# KiCad board Marble.kicad_pcb (continued)
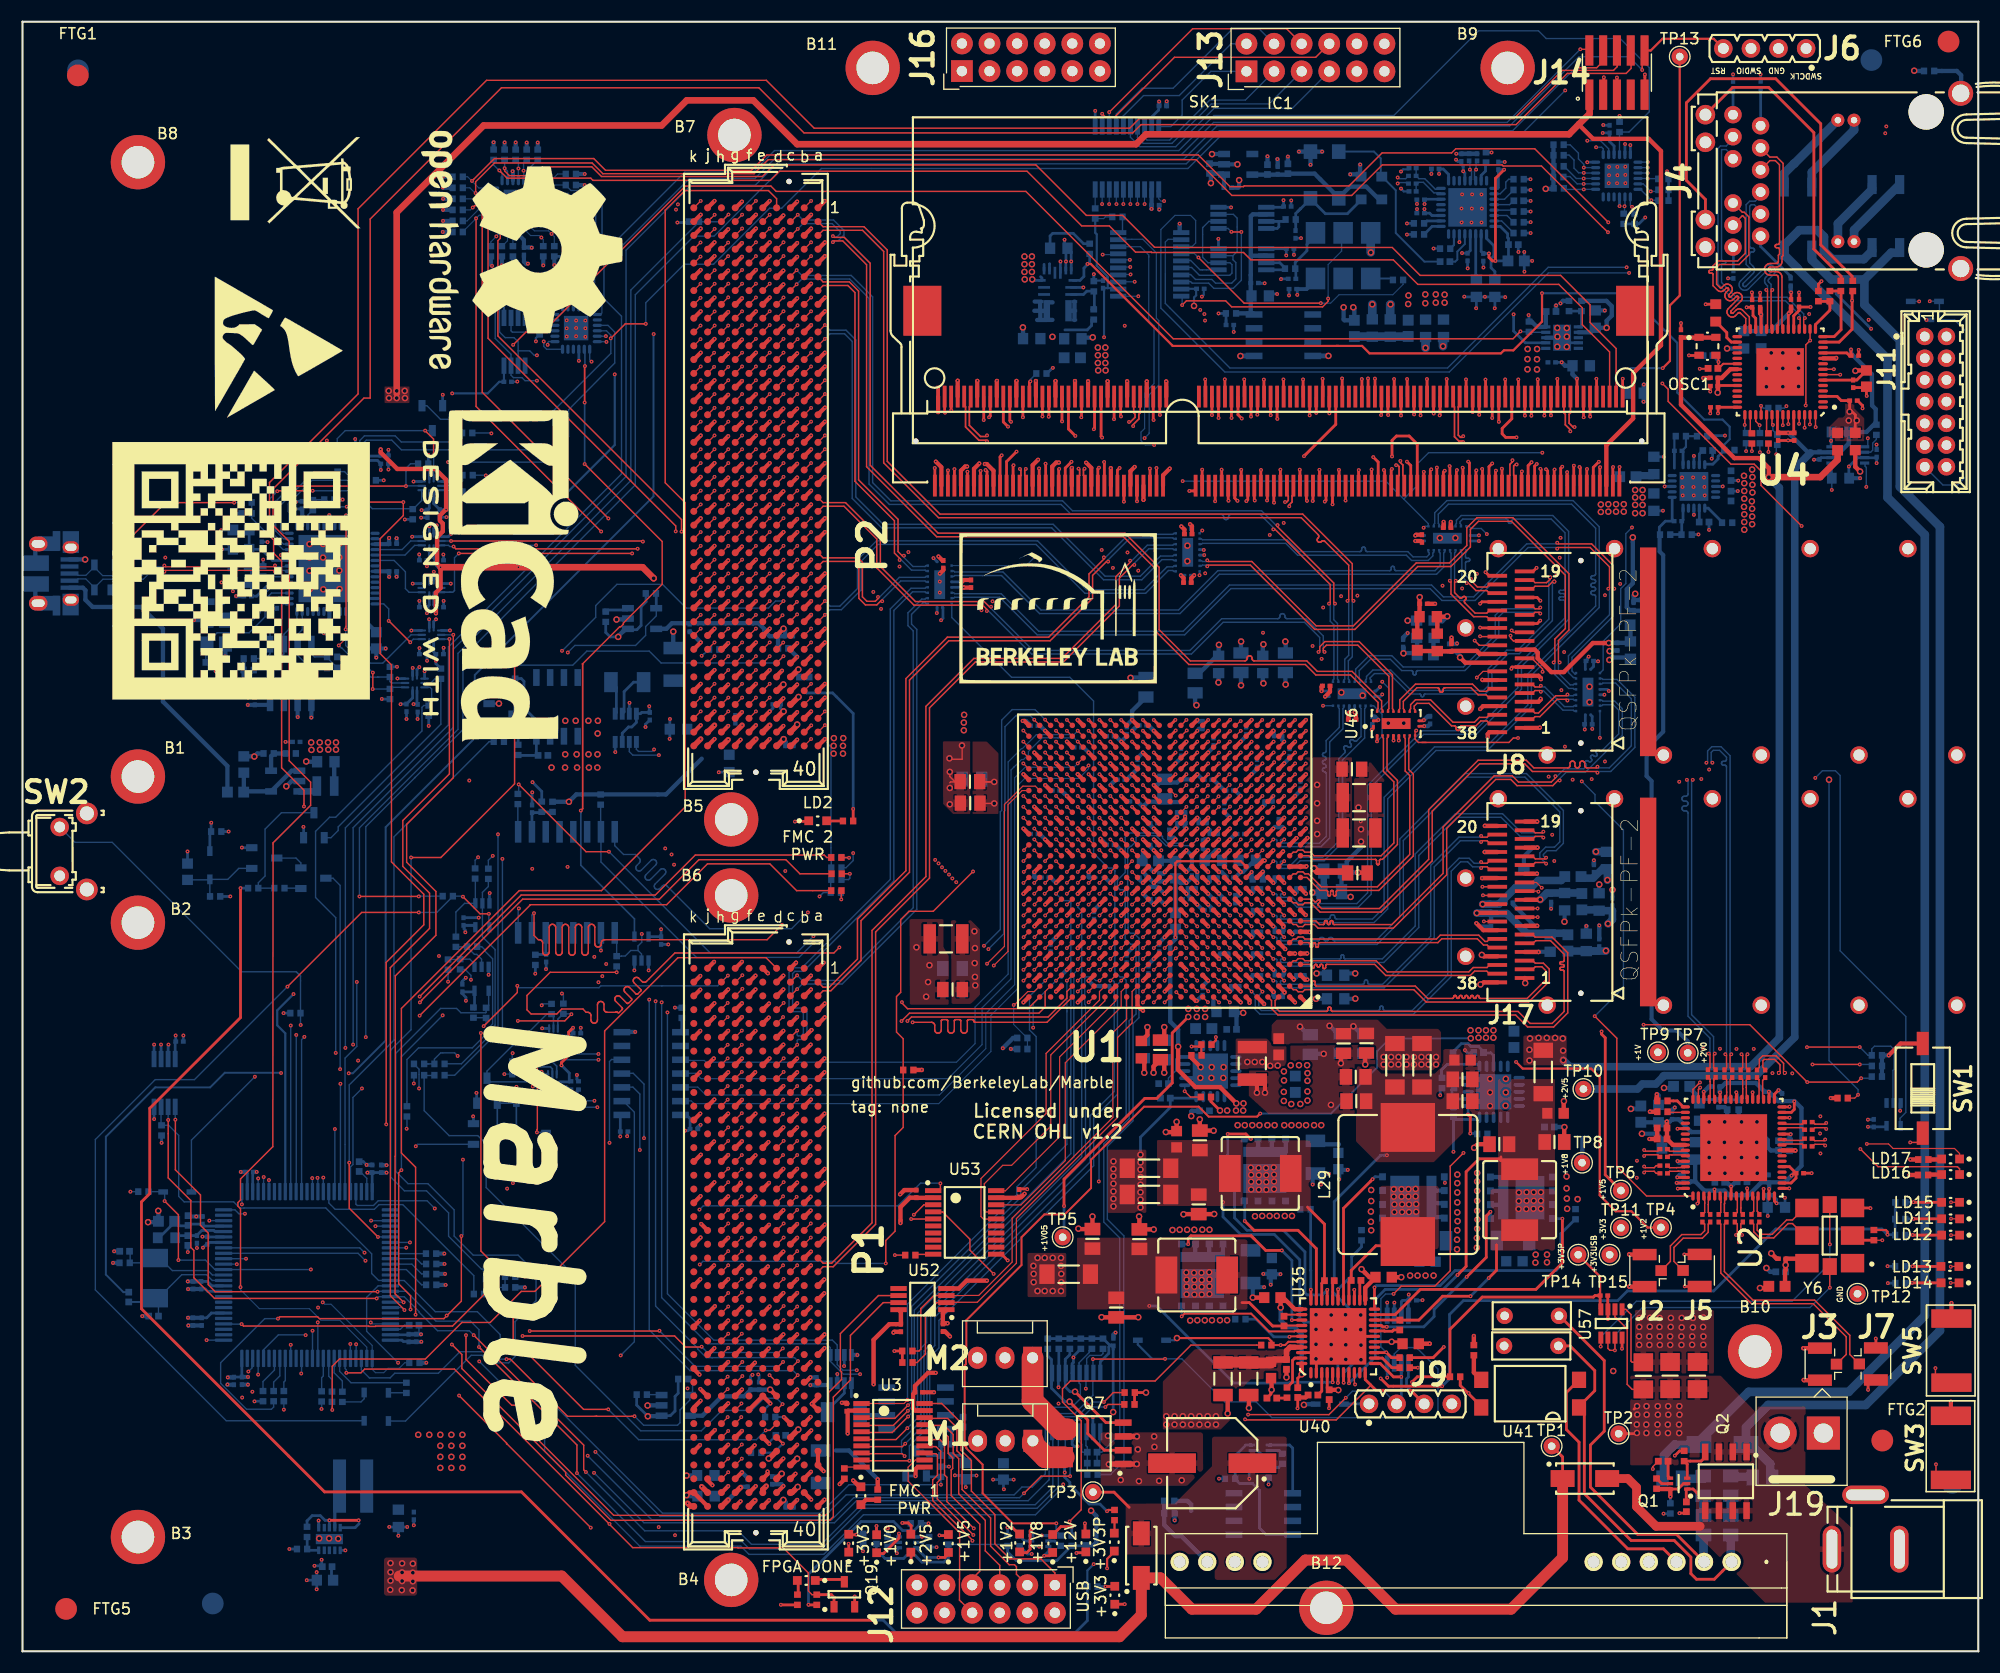
[diagram p0: board, top side]
## Routing (per net, layer and track width the routed paths; a pad name or vN(x,y) marks a point on that pad's centre or on a via; arc(x,y) is an arc through that point) (continued)
Net-(J4-Pad17): length 27.4
  Top w0.254: 154.89,141.44 157.4,143.96 160.7,143.96 164.87,139.79 164.87,129.07 167.37,126.57 167.37,126.17 R67.1
Net-(J4-Pad19): length 42.2
  Top w0.254: R156.1 168.39,126.21 168.39,126.57 165.5,129.45 165.5,140.6 161.36,144.75 155.35,144.75 153.13,142.54 153.13,135.4 154.89,133.65 J4.19
Net-(J4-Pad21): length 20.4
  In2.Cu w0.4: 178.42,127.32 178.42,143.45
  Bottom w0.4: R165.2 178.03,145.47 178.42,145.07 178.42,143.45
Net-(L13-Pad1): length 3.8
  Bottom w0.254: 28.74,15.12 28.78,15.15
  Bottom w0.3: U18.9 28.74,15.12
Net-(L23-Pad1): length 1.4
  Bottom w0.602: U22.3 26.86,79.15 26.87,79.16
Net-(L35-Pad2): length 1.7
  Bottom w0.8: 157.44,16.07 158.94,16.07 159.05,15.96
Net-(L36-Pad2): length 1.8
  Bottom w0.8: 152.88,15.95 152.95,15.88 154.68,15.88
Net-(L37-Pad2): length 1.5
  Bottom w0.8: L39.1 157.22,14.05
Net-(L38-Pad2): length 1.6
  Bottom w0.8: L40.1 154.71,14.05 154.68,14.08
Net-(LD1-Pad2): length 1.7
  Top w0.4: 77.16,13.49 77.62,13.95 R235.2
Net-(LD2-Pad2): length 1.7
  Top w0.254: 73.78,76.39 73.82,76.43 R236.2
Net-(LD3-Pad1): length 2.7
  Top w0.254: 73.04,6.61 75.43,6.61 Q19.3
Net-(LD3-Pad2): length 1.4
  Top w0.254: R163.2 71.39,5.28 71.39,6.61
Net-(LD4-Pad2): length 1.4
  Top w0.254: 76.04,10.72 76.73,10.72 v1(76.74,10.73)
  Bottom w0.254: v1(76.74,10.73) 77.28,10.73 R248.2
Net-(LD5-Pad1): length 3.4
  Top w0.254: v1(80.67,10.84) 80.67,10.42 79.24,9 78.58,9
  Bottom w0.254: 80.66,10.52 80.67,10.53 v1(80.67,10.84)
Net-(LD5-Pad2): length 1.6
  Top w0.254: 78.58,10.65 78.6,10.66 v1(78.6,11.53)
  Bottom w0.254: R249.2 78.58,11.52 v1(78.6,11.53)
Net-(LD6-Pad2): length 2.6
  Top w0.254: v1(80.97,11.81) 81.52,11.81 81.79,11.55 81.79,10.65
  Bottom w0.254: v1(80.97,11.81) 81.71,11.81 R251.2
Net-(LD7-Pad1): length 3.5
  Top w0.254: 85.24,9 84.88,8.64 v1(84.3,8.64)
  Bottom w0.254: 82.24,9.52 83.12,8.64 v1(84.3,8.64)
Net-(LD7-Pad2): length 1.7
  Top w0.254: 85.24,10.65 84.41,10.65 v1(84.39,10.67)
  Bottom w0.254: R252.2 85.11,10.67 v1(84.39,10.67)
Net-(LD8-Pad1): length 3.7
  Top w0.254: v1(92.91,11.26) 92.74,11.08 92.74,9.39 92.42,9.07 91.77,9.07
  Bottom w0.254: v1(92.91,11.26) 92.88,11.23 92.88,10.65
Net-(LD8-Pad2): length 2.2
  Top w0.254: 91.77,10.72 91.09,11.4 v1(90.65,11.4)
  Bottom w0.254: R254.2 90.66,11.38 v1(90.65,11.4)
Net-(LD9-Pad1): length 1.9
  Top w0.254: v1(94.03,8.79) 94.54,8.79 94.82,9.07
  Bottom w0.254: 94.46,9.65 94.46,9.23 v1(94.03,8.79)
Net-(LD9-Pad2): length 2.9
  Top w0.254: 94.82,10.72 95.57,11.47 v1(96.57,11.47)
  Bottom w0.254: R256.2 v1(96.57,11.47)
Net-(LD10-Pad2): length 2.2
  Top w0.254: 97.79,10.72 97.79,11.76 v1(97.77,11.78)
  Bottom w0.254: v1(97.77,11.78) 97.77,10.76 R257.2
Net-(LD11-Pad2): length 3.4
  Top w0.254: LD11.2 v1(174.04,39.8)
  Bottom w0.254: v1(174.04,39.8) 173.31,39.8 R267.2
Net-(LD12-Pad2): length 3.4
  Top w0.254: v1(173.96,38.32) 173.97,38.31 LD12.2
  Bottom w0.254: R266.2 173.3,38.32 v1(173.96,38.32)
Net-(LD13-Pad1): length 250.2
  Top w0.102: v1(177.47,35.4) 177.49,35.42 LD13.1
  In2.Cu w0.127: v1(171.54,140.36) 168.6,143.3 152.73,143.3 150.42,140.99 135.37,140.99 133.28,143.08 95.13,143.08 90.09,138.04 69.06,138.04 67.07,136.05 58.25,136.05 48.03,125.82 48.03,124.11 47.44,123.52 47.44,120.92 47.63,120.73 47.63,120.4 47.95,120.08 48.16,120.08 v1(48.33,120.26)
  In9.Cu w0.127: v1(171.54,140.36) 171.56,140.36 172.15,139.78 172.15,77.68 176.73,73.09 176.73,44.25 178.37,42.61 178.37,36.3 v1(177.47,35.4)
  Bottom w0.127: U39.13 48.99,120.56 48.44,120.56 48.33,120.46 v1(48.33,120.26)
Net-(LD13-Pad2): length 3.3
  Top w0.254: v1(173.96,35.44) 173.97,35.42 LD13.2
  Bottom w0.254: v1(173.96,35.44) R264.2
Net-(LD14-Pad1): length 249
  Top w0.102: LD14.1 v1(177.47,33.91)
  In2.Cu w0.127: v1(47.97,120.57) 48.64,121.24 48.64,125.7 58.39,135.45 67.38,135.45 69.54,137.61 90.75,137.61 93.62,140.48 132.99,140.48 133.32,140.15 150.31,140.15 153.03,142.87 168.31,142.87 v1(171.44,139.73)
  In9.Cu w0.127: v1(177.47,33.91) 177.09,34.29 177.09,36.31 177.95,37.18 177.95,42.31 176.17,44.08 176.17,72.86 171.44,77.6 v1(171.44,139.73)
  Bottom w0.127: v1(47.97,120.57) 47.97,120.12 48.24,119.85 U39.12
Net-(LD14-Pad2): length 3.3
  Top w0.254: LD14.2 v1(173.91,33.91)
  Bottom w0.254: v1(173.91,33.91) 173.34,33.91 R265.2
Net-(LD15-Pad2): length 3.3
  Top w0.254: LD15.2 174.05,41.33 v1(174.04,41.34)
  Bottom w0.254: v1(174.04,41.34) 173.33,41.34 R268.2
Net-(LD16-Pad1): length 175
  Top w0.127: LD16.1 178.28,44.41 178.08,44.61 170.77,44.61 v1(169.15,46.23)
  In2.Cu w0.127: v1(169.15,46.23) 169.15,48.86 171.19,50.9 171.19,110.29 171.31,110.4 171.31,119.4 166.37,124.33 153.58,124.33 151.04,126.88 v1(147.86,126.88)
  Bottom w0.112: 106.63,129.33 107.67,129.33 107.97,129.63 107.97,131.7 107.5,132.17 106.07,132.17 104.77,130.88 104.77,128.92
  Bottom w0.127: 104.77,128.92 104.77,123.64 110.65,117.76 131.32,117.76 140.43,126.88 v1(147.86,126.88)
Net-(LD16-Pad2): length 1.5
  Top w0.4: 176.71,43.96 LD16.2 175.42,43.88 R18.2 175.47,43.93
Net-(LD17-Pad1): length 168
  Top w0.102: LD17.1 178.28,45.82 177.82,46.28 172.16,46.28 171.74,46.7 v1(169.75,46.7)
  In2.Cu w0.127: v1(169.75,46.7) 171.42,48.37 171.42,55.02 171.73,55.33 171.73,121.8 167.07,126.45 165.4,126.45 164.99,126.04 152.65,126.04 151.29,127.4 v1(147.63,127.4)
  Bottom w0.112: 105.18,126.79 105.18,129.72 105.43,129.98 106.63,129.98
  Bottom w0.127: 105.18,126.79 105.18,124.07 111.12,118.13 131.15,118.13 140.42,127.4 v1(147.63,127.4)
Net-(LD17-Pad2): length 1.4
  Top w0.4: 176.71,45.27 R19.2 175.46,45.32
Net-(LD18-Pad2): length 1.2
  Top w0.2: R61.2 100.5,10.9 LD18.2
Net-(LD19-Pad2): length 1.6
  Top w0.254: v1(99.67,5.96) 100.51,5.96 LD19.2
  Bottom w0.254: R78.2 v1(99.67,5.96)
Net-(M1-Pad1): length 3.7
  Top w2: 95.83,17.86 94.16,17.86 92.99,19.03 M1.1
Net-(M1-Pad3): length 13.1
  In2.Cu w0.254: M1.3 87.91,19.52 91.44,23.05 94.1,23.05 v1(95.35,24.3)
  Bottom w0.254: v1(95.35,24.3) 95.34,24.31 95.34,26.09 95.37,26.13 R175.2
Net-(M2-Pad1): length 9
  Top w2: M2.1 92.96,23.03 95.55,20.44 96.15,20.44
  Bottom w0.254: 92.86,27.77 92.86,26.99
Net-(M2-Pad3): length 13.7
  In2.Cu w0.254: v1(96.72,27.04) 94.84,25.16 88.47,25.16 87.88,25.75 M2.3
  Bottom w0.254: 96.58,25.58 96.61,25.6 96.61,26.47 96.72,26.58 v1(96.72,27.04) 96.72,27.16 R177.2
Net-(P1-PadC34): length 1.6
  Top w0.381: P1.C34 v1(70.08,21.56)
  Bottom w0.2: v1(70.08,21.56) 70.07,21.56 R9.2
Net-(P1-PadD35): length 3.2
  Top w0.2: v1(69.99,19.12) 69.97,19.12 P1.D35
  Top w0.381: P1.D35 69.43,19.69
  Bottom w0.2: R10.2 69.15,18.28 v1(69.99,19.12)
Net-(P2-PadA14): length 0.9
  Top w0.112: P2.A14 v1(73.85,117)
Net-(P2-PadA15): length 0.9
  Top w0.112: P2.A15 v1(73.85,115.73)
Net-(P2-PadA18): length 0.9
  Top w0.112: P2.A18 v1(73.85,111.92)
Net-(P2-PadA19): length 0.9
  Top w0.112: P2.A19 v1(73.85,110.65)
Net-(P2-PadA38): length 0.9
  Top w0.112: P2.A38 v1(73.85,86.52)
Net-(P2-PadA39): length 0.9
  Top w0.112: P2.A39 v1(73.85,85.25)
Net-(P2-PadB1): length 0.9
  Top w0.112: P2.B1 v1(72.58,133.51)
Net-(P2-PadB4): length 0.9
  Top w0.112: P2.B4 v1(72.58,129.7)
Net-(P2-PadB5): length 0.9
  Top w0.112: P2.B5 v1(72.58,128.43)
Net-(P2-PadB8): length 0.9
  Top w0.112: P2.B8 v1(72.58,124.62)
Net-(P2-PadB9): length 0.9
  Top w0.112: P2.B9 v1(72.58,123.35)
Net-(P2-PadB12): length 0.9
  Top w0.112: P2.B12 v1(72.58,119.54)
Net-(P2-PadB13): length 0.9
  Top w0.112: P2.B13 v1(72.58,118.27)
Net-(P2-PadB16): length 0.9
  Top w0.112: P2.B16 v1(72.58,114.46)
Net-(P2-PadB17): length 0.9
  Top w0.112: P2.B17 v1(72.58,113.19)
Net-(P2-PadB24): length 0.9
  Top w0.112: P2.B24 v1(72.58,104.3)
Net-(P2-PadB25): length 0.9
  Top w0.112: P2.B25 v1(72.58,103.03)
Net-(P2-PadB28): length 0.9
  Top w0.112: P2.B28 v1(72.58,99.22)
Net-(P2-PadB29): length 0.9
  Top w0.112: P2.B29 v1(72.58,97.95)
Net-(P2-PadB32): length 0.9
  Top w0.112: P2.B32 v1(72.58,94.14)
Net-(P2-PadB33): length 0.9
  Top w0.112: P2.B33 v1(72.58,92.87)
Net-(P2-PadB36): length 0.9
  Top w0.112: P2.B36 v1(72.58,89.06)
Net-(P2-PadB37): length 0.9
  Top w0.112: P2.B37 v1(72.58,87.79)
Net-(P2-PadB40): length 0.9
  Top w0.102: P2.B40 v1(72.58,83.98)
Net-(P2-PadC34): length 1.7
  Top w0.381: v1(71.29,91.53) 70.72,90.96 P2.C34
  Bottom w0.4: v1(71.29,91.53) 70.71,92.12
Net-(P2-PadD35): length 10.8
  Top w0.381: v1(69.9,90.26) 69.4,89.77 P2.D35
  In4.Cu w0.127: v1(69.9,90.26) 69.45,90.71 69.45,91.84 69.07,92.22 63.09,92.22 v1(62.51,91.63)
  Bottom w0.127: v1(62.51,91.63) 62.71,91.84 62.76,91.84 63.14,92.22 R12.2
Net-(P2-PadE21): length 0.9
  Top w0.112: P2.E21 v1(68.77,108.11)
Net-(P2-PadE22): length 0.9
  Top w0.112: P2.E22 v1(68.77,106.84)
Net-(P2-PadE24): length 0.9
  Top w0.112: P2.E24 v1(68.77,104.3)
Net-(P2-PadE25): length 0.9
  Top w0.112: P2.E25 v1(68.77,103.03)
Net-(P2-PadE27): length 0.9
  Top w0.112: P2.E27 v1(68.77,100.49)
Net-(P2-PadE28): length 0.9
  Top w0.112: P2.E28 v1(68.77,99.22)
Net-(P2-PadE30): length 0.9
  Top w0.112: P2.E30 v1(68.77,96.68)
Net-(P2-PadE31): length 0.9
  Top w0.112: P2.E31 v1(68.77,95.41)
Net-(P2-PadE33): length 0.9
  Top w0.112: P2.E33 v1(68.77,92.87)
Net-(P2-PadE34): length 0.9
  Top w0.112: P2.E34 v1(68.77,91.6)
Net-(P2-PadE36): length 0.9
  Top w0.112: P2.E36 v1(68.77,89.06)
Net-(P2-PadE37): length 0.9
  Top w0.112: P2.E37 v1(68.77,87.79)
Net-(P2-PadF1): length 0.9
  Top w0.112: P2.F1 v1(67.5,133.51)
Net-(P2-PadF22): length 0.9
  Top w0.112: P2.F22 v1(67.5,106.84)
Net-(P2-PadF23): length 0.9
  Top w0.112: P2.F23 v1(67.5,105.57)
Net-(P2-PadF25): length 0.9
  Top w0.112: P2.F25 v1(67.5,103.03)
Net-(P2-PadF26): length 0.9
  Top w0.112: P2.F26 v1(67.5,101.76)
Net-(P2-PadF28): length 0.9
  Top w0.112: P2.F28 v1(67.5,99.22)
Net-(P2-PadF29): length 0.9
  Top w0.112: P2.F29 v1(67.5,97.95)
Net-(P2-PadF31): length 0.9
  Top w0.112: P2.F31 v1(67.5,95.41)
Net-(P2-PadF32): length 0.9
  Top w0.112: P2.F32 v1(67.5,94.14)
Net-(P2-PadF34): length 0.9
  Top w0.112: P2.F34 v1(67.5,91.6)
Net-(P2-PadF35): length 0.9
  Top w0.112: P2.F35 v1(67.5,90.33)
Net-(P2-PadF37): length 0.9
  Top w0.112: P2.F37 v1(67.5,87.79)
Net-(P2-PadF38): length 0.9
  Top w0.112: P2.F38 v1(67.5,86.52)
Net-(P2-PadJ2): length 0.9
  Top w0.112: P2.J2 63.37,131.92 63.39,131.92 v1(63.7,132.23)
Net-(P2-PadJ3): length 0.9
  Top w0.112: P2.J3 63.1,130.33 v1(63.7,130.93)
Net-(P2-PadJ24): length 0.9
  Top w0.112: P2.J24 v1(63.69,104.3)
Net-(P2-PadJ25): length 0.9
  Top w0.112: P2.J25 v1(63.69,103.03)
Net-(P2-PadJ27): length 0.9
  Top w0.112: P2.J27 v1(63.69,100.49)
Net-(P2-PadJ28): length 0.9
  Top w0.112: P2.J28 v1(63.69,99.22)
Net-(P2-PadJ30): length 0.9
  Top w0.112: P2.J30 v1(63.69,96.68)
Net-(P2-PadJ31): length 0.9
  Top w0.112: P2.J31 v1(63.69,95.41)
Net-(P2-PadJ33): length 0.9
  Top w0.112: P2.J33 v1(63.69,92.87)
Net-(P2-PadJ34): length 0.9
  Top w0.112: P2.J34 v1(63.69,91.6)
Net-(P2-PadJ36): length 0.9
  Top w0.112: P2.J36 v1(63.69,89.06)
Net-(P2-PadJ37): length 0.9
  Top w0.112: P2.J37 v1(63.69,87.79)
Net-(P2-PadK1): length 0.9
  Top w0.112: P2.K1 v1(62.42,133.51)
Net-(P2-PadK4): length 0.9
  Top w0.112: P2.K4 61.78,129.06 v1(62.4,129.68)
Net-(P2-PadK5): length 0.9
  Top w0.112: v1(62.4,128.38) 61.81,127.79 P2.K5
Net-(P2-PadK25): length 0.9
  Top w0.112: P2.K25 v1(62.42,103.03)
Net-(P2-PadK26): length 0.9
  Top w0.112: P2.K26 v1(62.42,101.76)
Net-(P2-PadK28): length 0.9
  Top w0.112: P2.K28 v1(62.42,99.22)
Net-(P2-PadK29): length 0.9
  Top w0.112: P2.K29 v1(62.42,97.95)
Net-(P2-PadK31): length 0.9
  Top w0.112: P2.K31 v1(62.42,95.41)
Net-(P2-PadK32): length 0.9
  Top w0.112: P2.K32 v1(62.42,94.14)
Net-(P2-PadK37): length 0.9
  Top w0.112: P2.K37 v1(62.42,87.79)
Net-(P2-PadK38): length 0.9
  Top w0.112: P2.K38 v1(62.42,86.52)
Net-(Q1-Pad2): length 4.4
  Top w0.254: Q1.6 152.37,14.93 152.87,15.43 Q1.2
  Top w0.4: v1(151.66,14.24) 151.66,14.91 Q1.6 150.42,14.93 R107.1
  Bottom w0.254: v1(151.66,14.24) R104.1
Net-(Q1-Pad3): length 4.2
  Top w0.254: Q1.3 153.21,17.22 R108.1 154.5,17.5 154.87,17.87 Q2.4
Net-(Q1-Pad5): length 1.4
  Top w0.254: R107.2 150.86,15.43 Q1.5
Net-(Q3-Pad2): length 1.4
  Bottom w0.254: 82.24,10.02 82.87,10.02 83.37,10.52 R247.2
Net-(Q3-Pad5): length 1.2
  Bottom w0.254: R250.2 80.04,10.02 80.66,10.02
Net-(Q6-Pad3): length 16.6
  Top w0.127: v1(37.06,112.36) 37.83,111.59 37.83,110.1 v1(37.84,110.1)
  Bottom w0.127: U26.2 37.84,110.1 v1(37.84,110.1) ; U33.2 29.51,110.02 28.97,110.56 R204.2 28.97,111.62 29.7,112.36 v1(37.06,112.36) 37.77,112.36 37.84,112.29
Net-(Q7-Pad2): length 14.5
  Top w0.254: 101.3,18.51 99.57,18.51 98.04,20.03 98.04,21.29 96.36,22.97 v2(96.36,22.98)
  Bottom w0.254: 94.7,25.6 94.7,24.59 ; 94.7,24.59 94.7,26.85 94.36,27.19 R174.2 ; 94.7,24.59 94.7,24.22 95.94,22.98 v2(96.36,22.98)
Net-(Q7-Pad4): length 10.4
  Top w0.254: Q7.4 99.72,21.05 v2(96.87,23.89)
  Bottom w0.254: R176.2 96.39,27.3 95.97,26.88 95.97,24.34 96.42,23.89 v2(96.87,23.89)
Net-(Q8-Pad3): length 3.5
  Bottom w0.254: Q8.3 82.87,18.44 83.28,18.02 R202.2 R213.1
Net-(Q9-Pad3): length 5
  Bottom w0.254: 45.56,86.1 45.62,86.05 R214.1 ; Q9.3 45.31,86.34 45.31,88.56
Net-(Q14-Pad1): length 1.5
  Bottom w0.127: Q14.1 25.58,70.25 R269.2
Net-(Q14-Pad2): length 2.9
  Bottom w0.127: Q14.2 25.62,72.56 25.17,73.02 Q18.3
Net-(Q16-Pad5): length 4.4
  Bottom w0.254: 76.65,22.45 R182.1 ; U17.1 76.28,23.42
  Bottom w0.4: R182.1 77.37,21.73 Q16.6
Net-(Q17-Pad3): length 13.2
  Bottom w0.127: U8.2 46.06,56.63 R131.2 46.06,56.09 45.74,55.77 45.11,55.77 42.75,53.41 Q17.3 43.09,52.41 U9.2
Net-(Q20-Pad2): length 1.3
  Bottom w0.254: 94.46,10.15 95,10.15 95.45,9.71 R253.2
Net-(Q20-Pad5): length 1.3
  Bottom w0.254: 92.88,10.15 92.24,10.15 R255.2
Net-(Q22-Pad2): length 4.3
  Bottom w0.254: Q22.2 113.67,18.48 114.17,17.98 Q22.6 114.71,16.95 R181.1 115.62,16.92 R184.1
Net-(Q22-Pad3): length 13.5
  Bottom w0.254: Q22.3 112.59,18.98 111.61,18.01 R212.1 111.61,15.85 112.01,15.45 113.21,15.45 113.86,14.8 113.86,11.34 114.46,10.73 Q4.4
Net-(Q22-Pad5): length 1.4
  Bottom w0.254: Q22.5 115.66,18.48 R184.2
Net-(Q23-Pad5): length 3.2
  Bottom w0.254: R183.1 54.66,88.71 54.66,86.42 U32.1
Net-(Q24-Pad1): length 21.1
  Bottom w0.127: Q24.1 28.39,74.89 29.05,75.56 29.05,75.89 38.5,85.33 R273.2 37.96,89.51 37.58,89.13 U24.4
Net-(Q24-Pad3): length 12.3
  Bottom w0.127: Q24.3 23.83,77.19 22.32,75.68 22.32,71.36 21.7,70.74 R271.1 R269.1
Net-(R4-Pad2): length 1.6
  Top w0.102: R4.2 75.76,16.96 U3.10
Net-(R5-Pad2): length 1.7
  Bottom w0.102: U12.10 98.72,132.82 R5.2
Net-(R6-Pad1): length 1.4
  Bottom w0.127: 101.25,130.65 101.24,130.66 R6.1
Net-(R7-Pad2): length 1.7
  Top w0.127: R7.2 82.25,36.54 83.81,36.54
Net-(R8-Pad2): length 1.3
  Bottom w0.254: 60.67,57.01 60.68,57.02 R8.2
Net-(R21-Pad2): length 3.4
  Bottom w0.127: U54.94 23.19,26.96 23.19,25.89 22.13,24.83 R21.2
Net-(R26-Pad2): length 4
  Bottom w0.254: U58.3 97.65,124.89 97.95,125.2 98.65,125.2 98.65,123.78 98.4,123.52
Net-(R30-Pad1): length 2.9
  Bottom w0.254: U31.1 143.49,121.91 143.48,121.92 R31.1 R30.1
Net-(R33-Pad1): length 1.9
  Top w0.254: R33.1 152.3,50.66 152.85,50.11 U2.49
Net-(R34-Pad1): length 1.7
  Top w0.127: U2.50 151.45,49.61 R34.1
Net-(R43-Pad1): length 2.4
  Bottom w0.102: R43.1 44.14,129.34 44.64,129.84 U5.23
Net-(R44-Pad1): length 2.2
  Bottom w0.102: U5.22 45.14,129.34 R44.1
Net-(R64-Pad1): length 9.9
  Top w0.127: v1(166.71,118.01) 166.71,118.01 U4.8
  In2.Cu w0.127: v1(166.45,111.42) 166.71,111.68 v1(166.71,118.01)
  Bottom w0.127: R64.1 166.5,111.46 v1(166.45,111.42)
  Bottom w0.254: 166.46,110.9 166.46,112.2 R64.1
Net-(R65-Pad2): length 3.9
  Top w0.254: 165.35,124.26 166.18,124.26 ; U4.15 165.02,122.12 166.34,123.45 R80.2
Net-(R66-Pad2): length 3.1
  Top w0.254: 155.89,122.4 R66.2 156.85,121.38 156.85,120.93 157.27,120.51 U4.30
Net-(R73-Pad2): length 2.2
  Bottom w0.254: R73.2 156.42,103.95 155.14,105.22 U47.6
Net-(R74-Pad2): length 3.3
  Top w0.254: v1(133.04,49.42) 133.25,49.22 v1(133.25,47.67)
  Bottom w0.254: v1(133.25,47.67) 133.84,47.67 R74.2 ; U36.11 133.04,49.42 v1(133.04,49.42)
Net-(R76-Pad2): length 2.3
  Top w0.127: v1(106.96,51.55) 107.49,51.02 R76.2
  Bottom w0.127: v1(106.96,51.55) 106.97,51.56 U37.11
Net-(R79-Pad1): length 1.5
  Bottom w0.2: R79.1 131.75,129.45 U20.23
Net-(R83-Pad1): length 3
  Bottom w0.102: R83.1 v1(49.15,131.92) 48.37,132.69 U5.17
Net-(R91-Pad1): length 2.8
  Bottom w0.102: R91.1 v1(49.18,132.93) 49.18,132.95 48.94,133.19 U5.16
Net-(R92-Pad2): length 3.8
  Bottom w0.254: U16.4 116.08,127.16 R92.2 116.19,127.34 115.72,127.81 U16.3
Net-(R93-Pad2): length 3.6
  Bottom w0.254: 115.63,131.62 116.07,131.62 R93.2 ; 115.63,131.62 115.63,131.13 115.47,130.97 U19.4 ; 115.63,131.62 U19.3
Net-(R94-Pad2): length 1.8
  Bottom w0.254: U20.7 134.25,135.85 134.65,136.25 134.65,137.04
Net-(R96-Pad2): length 1.9
  Bottom w0.254: U20.25 129.74,131.16 R96.2
Net-(R97-Pad2): length 1.7
  Bottom w0.254: R97.2 128.98,131.42 128.98,131.38 129.25,131.66 U20.26
Net-(R98-Pad2): length 1.8
  Bottom w0.127: R98.2 137.09,132.66 U20.13
Net-(R99-Pad2): length 2
  Bottom w0.127: U20.14 136.62,132.16 137.23,131.56 R99.2
Net-(R100-Pad2): length 2.3
  Bottom w0.127: R100.2 137.23,130.57 136.13,131.66 U20.15
Net-(R101-Pad2): length 2.7
  Bottom w0.127: U20.10 136,134.16 136.51,134.68 136.51,135.24 136.78,135.5 R101.2
Net-(R102-Pad2): length 2.1
  Bottom w0.127: R102.2 137.23,134.49 136.4,133.66 U20.11
Net-(R103-Pad1): length 2.1
  Bottom w0.178: R103.1 125.99,126.37 Y3.4
Net-(R109-Pad2): length 2.2
  Bottom w0.254: R109.2 26.2,10.51 R110.1 26.32,9.3 U18.5
Net-(R112-Pad2): length 6.1
  Bottom w0.127: U23.11 23.98,101.41 21.09,104.3 R116.1 R112.2
Net-(R113-Pad2): length 3.9
  Bottom w0.127: U21.4 26.59,91.81 26.86,91.53 R113.2 28.03,91.48 28.97,90.54 R114.1
Net-(R114-Pad2): length 7.4
  Bottom w0.127: U23.55 25.75,94.03 25.74,94.03 25.32,93.61 U21.3 25.32,91.67 26.48,90.52 R114.2
Net-(R115-Pad2): length 7.8
  Bottom w0.127: R115.2 22.57,90.33 24.05,91.81 24.05,93.61 25.25,94.81 U23.56
Net-(R117-Pad2): length 7.3
  Bottom w0.127: U23.1 24.02,96.41 23.9,96.29 23.9,95.08 22.78,93.96 U21.1 22.78,91.81 22.35,91.38 R117.2
Net-(R118-Pad2): length 2.8
  Bottom w0.4: R118.2 R119.1 22.88,82.4 U22.5
Net-(R120-Pad2): length 2.4
  Bottom w0.127: U23.6 22.17,98.91 R120.2
Net-(R121-Pad2): length 21.1
  Top w0.127: v1(29.78,104.56) 29.78,94.36 29.74,94.32 v1(29.74,94.07) ; v1(32.24,90.08) 32.24,88.59 v1(32.23,88.57)
  Bottom w0.127: U24.8 33.96,88.73 R121.2 33.8,88.57 v1(32.23,88.57) ; 32.22,90.11 v1(32.24,90.08) ; 32.23,90.1 29.75,92.58 29.75,94.07 v1(29.74,94.07) ; U23.24 29.78,103.64 v1(29.78,104.56)
Net-(R122-Pad2): length 21.5
  Top w0.127: v1(23.44,106.78) 23.48,106.82 v1(26.71,106.82)
  Bottom w0.127: U26.8 36.74,105.94 35.98,105.17 32.19,105.17 30.54,106.82 v1(26.71,106.82) ; v1(23.44,106.78) 23.27,106.61 23.27,106.58 22.73,106.05 22.73,103.2 24.02,101.91 U23.12
Net-(R123-Pad2): length 21.9
  Top w0.102: v1(30.74,104.56) 31.24,104.07 31.24,96.55 30.26,95.57 30.26,93.74 v1(29.11,92.59)
  Bottom w0.102: U23.26 30.75,104.56 v1(30.74,104.56)
  Bottom w0.127: U24.9 33.95,89.13 33.82,89.26 R123.2 32.67,89.68 32.66,89.67 ; v1(29.11,92.59) 29.33,92.36 29.38,92.36 32.08,89.67 32.66,89.67 ; 32.66,89.67 32.8,89.67
Net-(R124-Pad2): length 21.3
  Top w0.127: v1(35.29,107.25) 24.77,107.25 v1(24.74,107.29)
  Bottom w0.127: v1(24.74,107.29) 24.56,107.12 24.56,107.11 23.3,105.84 23.3,103.13 24.02,102.41 U23.13 ; U26.9 35.32,107.28 v1(35.29,107.25) 35.29,108.89 35.71,109.31 R124.2
Net-(R125-Pad2): length 12.6
  Bottom w0.127: U33.9 31.04,108.42 30.68,108.07 30.16,108.07 29.64,108.59 R125.2 26.84,108.59 23.76,105.5 23.76,103.17 24.02,102.91 U23.14
Net-(R126-Pad2): length 11.5
  Bottom w0.127: U23.15 25.25,104.14 24.46,104.92 24.46,105.6 26.64,107.79 R126.2 31.44,107.93 U33.8
Net-(R135-Pad2): length 3.2
  Bottom w0.127: R135.2 23.11,24.78 23.68,25.35 U54.93
Net-(R136-Pad2): length 3.1
  Bottom w0.127: U54.92 24.18,24.91 24.05,24.78 R136.2
Net-(R151-Pad2): length 7.8
  Bottom w0.127: R151.2 30.24,24.72 29.18,25.77 U54.82
Net-(R152-Pad2): length 3.4
  Bottom w0.127: R152.2 29.44,24.88 28.68,25.63 U54.83
Net-(R153-Pad2): length 3.2
  Bottom w0.127: U54.84 28.18,25.31 28.48,25.01 R153.2
Net-(R154-Pad2): length 3.1
  Bottom w0.127: U54.85 27.68,26.63 27.68,26.63 27.68,25.34 27.53,25.19 R154.2
Net-(R161-Pad1): length 1.4
  Top w0.254: U1.M6 v1(113.12,71.73)
  Bottom w0.4: R161.1 113.12,71.16 v1(113.12,71.73)
Net-(R168-Pad2): length 4.4
  Bottom w0.254: 130.6,52.87 130.6,53.51 131.13,54.03 133.9,54.03 U36.16
Net-(R190-Pad2): length 5.9
  Top w0.178: U35.39 116.65,28.99 v1(116.61,28.95)
  Bottom w0.254: v1(116.61,28.95) 115.16,28.95 113.54,30.57 R190.2
Net-(R191-Pad2): length 8.4
  Top w0.254: v1(118.57,33.28) 118.58,33.28 U35.33
  Bottom w0.254: v1(118.57,33.28) 118.57,35.06 118.55,35.08 R191.2
Net-(R192-Pad2): length 6.4
  Top w0.254: v1(121.08,33.33) 121.08,33.32 U35.28
  Bottom w0.254: v1(121.08,33.33) 122.32,34.57 122.32,36.31 123.24,37.23 R192.2
Net-(R193-Pad2): length 3.6
  Top w0.254: U35.43 117.1,26.99 116.89,26.77 116.89,24.79 R193.2
Net-(R194-Pad2): length 24.7
  Top w0.254: U35.22 v1(124.43,33.49)
  Bottom w0.254: 142.85,39.71 141.59,38.45 141.59,35.49 141.15,35.04 131.85,35.04 130.47,33.66 124.6,33.66 v1(124.43,33.49)
Net-(R195-Pad2): length 2.4
  Top w0.2: R196.1 108.49,54.88 R195.2 108.32,55.67 v1(107.6,55.67)
  Bottom w0.102: 107.93,55.67 U37.16
  Bottom w0.2: v1(107.6,55.67) 107.93,55.67
Net-(R197-Pad2): length 7.6
  Bottom w0.4: R197.2 105.09,13.81 R198.1 105.09,11.61 106.09,10.61 106.66,10.61 U40.9
Net-(R200-Pad2): length 1.6
  Bottom w0.127: R200.2 26.7,105.03 26.25,104.58 U23.17
Net-(R210-Pad2): length 2.6
  Bottom w0.127: U30.1 45.59,75.46 R210.2
Net-(R259-Pad2): length 2.3
  Bottom w0.254: 55.73,95.94 55.65,95.85 53.6,95.85 53.51,95.76
Net-(R261-Pad2): length 1.4
  Bottom w0.127: R261.2 58.78,23.63 U43.3
Net-(R262-Pad2): length 2.4
  Bottom w0.127: U6.6 170.09,110.37 170.28,110.56 170.28,111.21 170.62,111.55 R262.2
Net-(R263-Pad2): length 248.7
  Top w0.127: SW3.2 176.11,15.77 v1(176.11,17.21)
  In2.Cu w0.127: v1(25.6,57.65) 25.6,52.19 17.19,43.78 v1(17.19,39.64) 17.19,30.83 22.04,25.97 22.04,23.21 24.61,20.64 40.54,20.64 40.79,20.39 51.56,9.64 66.56,9.64 67.58,8.63 78.46,8.63 79.52,7.56 99.22,7.56 104.75,13.08 106.69,13.08 112.95,19.35 139.22,19.35 139.89,20.02 143.96,20.02 148.34,24.41 170.91,24.41 174.01,21.3 174.01,19.31 v1(176.11,17.21)
  Bottom w0.127: 25.19,62.55 20.16,62.55 8.25,74.46 4.83,74.46 SW2.2 ; 25.19,62.55 25.51,62.23 ; 25.19,62.55 25.59,62.16 ; 25.51,62.23 25.55,62.2 ; 25.51,62.23 25.59,62.16 ; U54.23 18.51,39.64 v1(17.19,39.64) ; 25.59,62.16 R263.2 25.59,57.66 v1(25.6,57.65)
Net-(R274-Pad2): length 4.3
  Bottom w0.102: R42.1 49.5,130.9 48.21,132.19 U5.18
  Bottom w0.127: R42.1 R274.2
Net-(R281-Pad1): length 2.5
  Top w0.4: R281.1 133.58,25.66 U41.3
Net-(R283-Pad2): length 41.6
  Top w0.127: U1.T5 v1(114.1,75.71)
  Top w0.13: R286.1 76.04,73.07 v1(76.07,73.04)
  In2.Cu w0.127: v1(84,72.85) 84.01,72.85 84.49,73.33 85.03,73.33 85.03,73.34 96.37,73.34 96.42,73.28 100.3,73.27 100.47,73.44 100.47,73.58 100.98,74.1 102.38,74.1 102.4,74.08 107.99,74.08 108.43,74.52 108.43,74.55 109.21,75.33 113.72,75.33 v1(114.1,75.71)
  In4.Cu w0.127: v1(76.07,73.04) 76.84,73.04 77.03,72.85 v1(84,72.85)
  Bottom w0.13: R283.2 75.4,73.04 v1(76.07,73.04)
Net-(R284-Pad1): length 48.7
  Top w0.127: 116.62,75.23 v1(117.09,75.71) ; v1(76.15,71.57) R287.1
  In2.Cu w0.127: v1(104.81,73.74) 104.4,73.32 101.03,73.32 100.62,72.92 95.47,72.92 95.29,73.11 84.89,73.11 v1(84.31,72.53)
  In4.Cu w0.127: v1(84.31,72.53) 83.35,71.57 v1(76.15,71.57)
  GND5.Cu w0.127: 76.15,71.56 v1(76.15,71.57)
  In9.Cu w0.127: 106.22,77.39 106.14,77.39 ; 106.22,77.39 105.55,77.39 104.81,76.65 v1(104.81,73.74) ; 106.22,77.39 111.28,77.39 111.3,77.41 111.94,77.41 112.96,76.39 116.17,76.39 116.85,75.71 v1(117.09,75.71)
  Bottom w0.13: R284.1 76.02,71.03 76.15,71.16 v1(76.15,71.57)
Net-(R285-Pad1): length 43.5
  Top w0.102: U1.P5 v1(114.12,73.73)
  Top w0.13: R288.1 75.37,69.23 v1(75.35,69.21)
  In2.Cu w0.127: v1(114.12,73.73) 113.08,72.69 110.56,72.69 109.7,71.83 109.7,71.68 109.37,71.35 101.2,71.35 100.93,71.08 99.31,71.08 99.29,71.11 91.86,71.11 91.73,70.98 87.2,70.98 86.52,71.65 85.42,71.65 v1(85.27,71.5)
  In4.Cu w0.127: v1(75.35,69.21) 75.81,69.66 83.44,69.66 v1(85.27,71.5)
  Bottom w0.13: v1(75.35,69.21) 75.32,69.24 R285.1
Net-(R291-Pad1): length 1.7
  Top w0.13: v1(158.51,112.89) 158.52,112.9 U4.43
  Bottom w0.13: v1(158.51,112.89) 158.51,112.26 R291.1
Net-(R292-Pad1): length 1.6
  Top w0.127: U4.46 160,113.83 v1(160,114.64)
  Bottom w0.127: R292.1 160.21,114.44 v1(160,114.64)
Net-(R293-Pad1): length 1.8
  Top w0.127: U4.44 159.02,112.26 R293.1
Net-(R294-Pad1): length 1.8
  Top w0.127: v1(159.88,112.86) 159.52,113.22 U4.45
  Bottom w0.127: R294.1 159.88,112.16 v1(159.88,112.86)
Net-(R295-Pad1): length 1.8
  Top w0.127: U4.47 160.52,112.28 R295.1
Net-(R296-Pad1): length 2
  Top w0.127: U4.48 161.02,112.97 v1(161.1,112.89)
  Bottom w0.127: v1(161.1,112.89) 161.1,112.39 R296.1
Net-(U1-PadAA2): length 0.7
  Top w0.2: U1.AA2 v1(117.12,80.73)
